# Altium PCB LimeSDR-Micro_M.2_2280_1v2.PcbDoc (part 6 of 9)
Units mm, origin at the board's own origin, x right, y up, seen from the top; angles counter-clockwise.
Board outline 80 x 22 mm, 8 copper layers (Top, L2, L3, L4, L5, L6, L7, Bottom), stack 0.775 mm thick; 678 components, 387 nets, 2375 pads, 919 vias.
Unrouted connection lines stored in the file: 254.
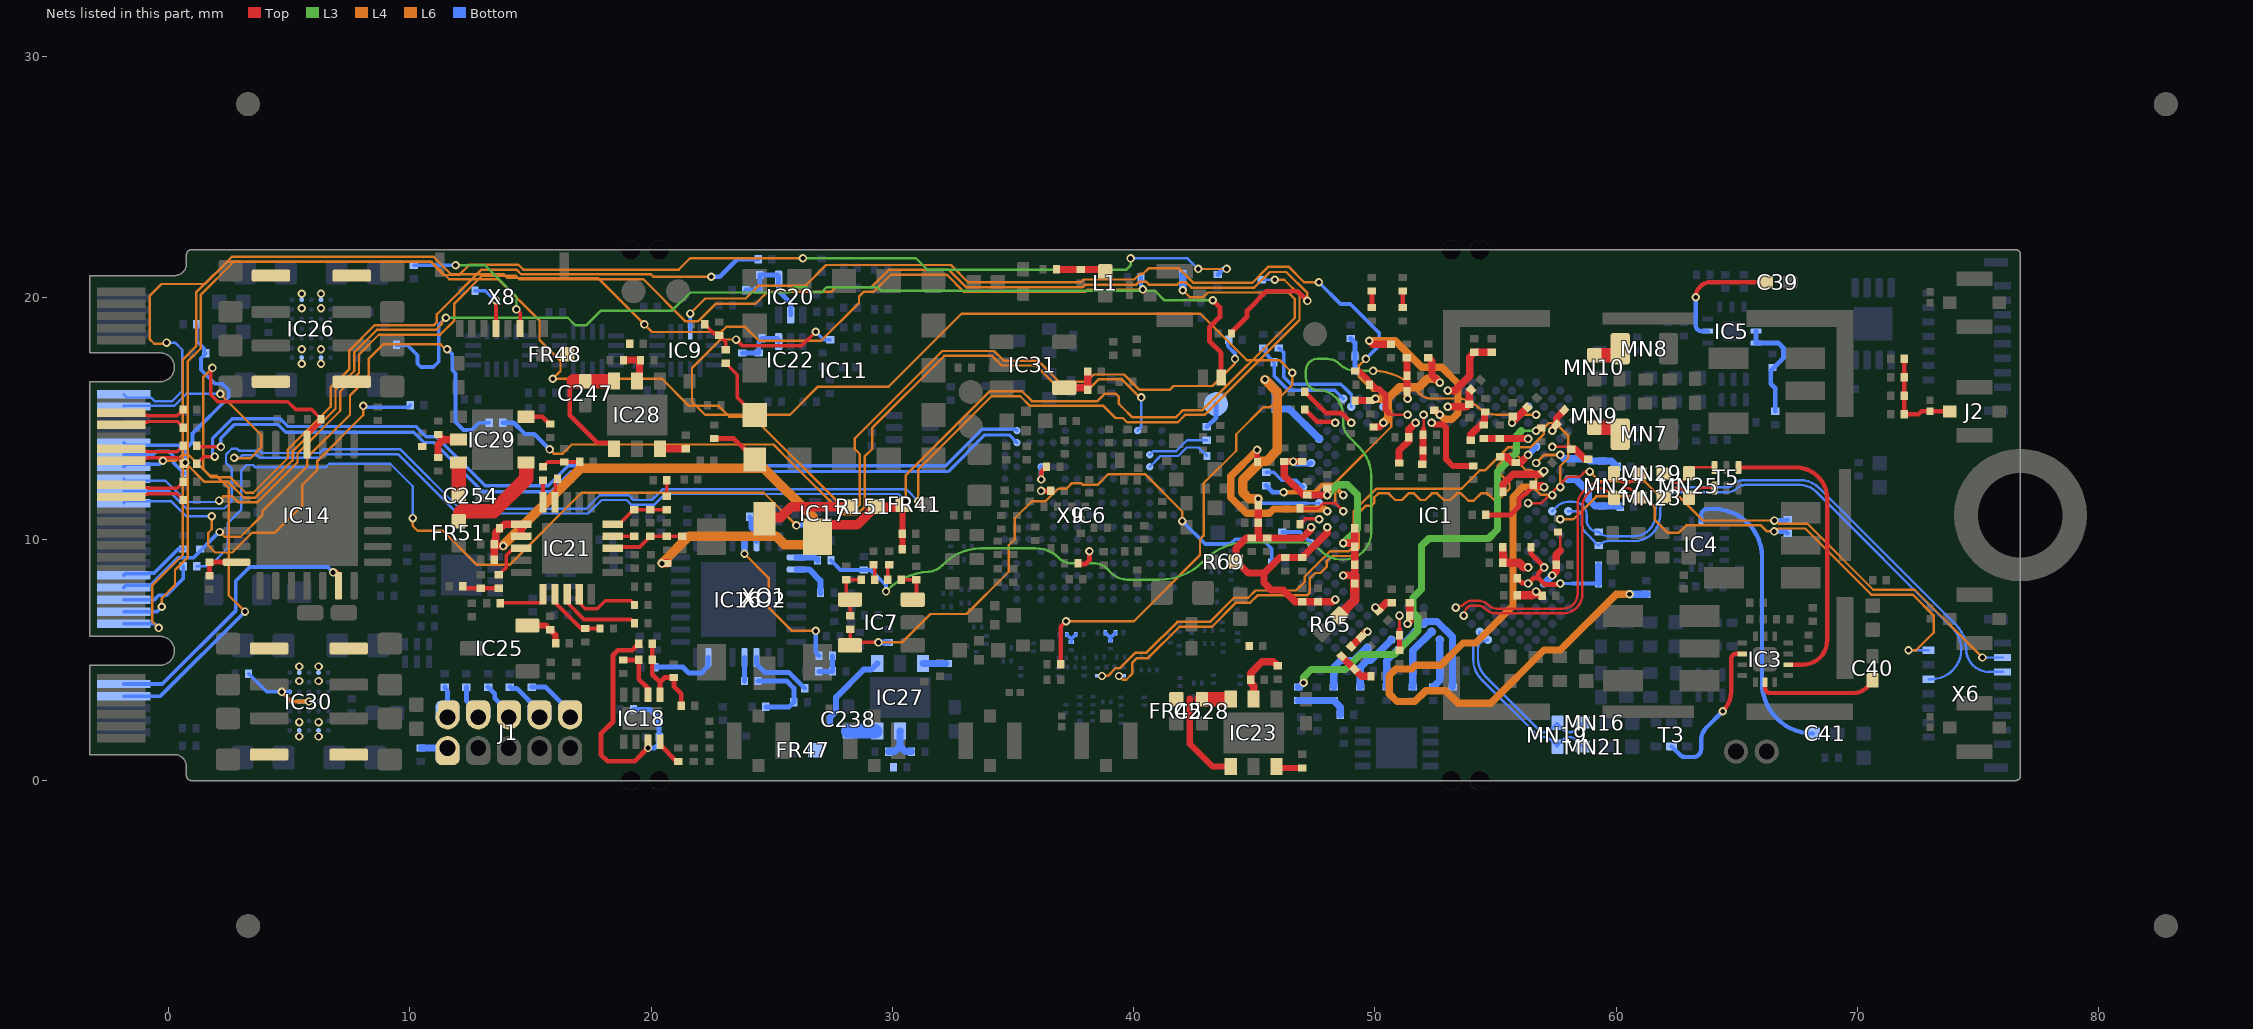
[diagram p12: the nets of this part, all layers, seen from the top]

## Via types
v1: diameter 0.35, hole 0.2, Top to Bottom, tented both sides, 753 vias
v2: diameter 0.35, hole 0.2, L5 to Bottom, tented both sides, 124 vias
v3: diameter 0.4, hole 0.2, Top to Bottom, tented both sides, 30 vias
v4: diameter 0.5, hole 0.2, Top to Bottom, tented both sides, 12 vias

## Nets (pads, with @x,y where several pads share a name; then routed paths per layer and width w, separated by ;. In a path a pad name is that pad's centre, name@x,y a point inside that pad or via, vN(x,y) a via of type N, cw(c..) or ccw(c..) an arc to the next point about the centre after c; other vN are vias at no path point) (continued)
LMS_TX1_BB_Q_N: IC1.P2 R19.1 | length 27.3
  L6 w0.1: v2(38.688,4.333) 38.695,4.34 38.941,4.34 39.259,4.658 39.433,4.658 40.075,5.3 40.537,5.3 41.812,6.575 43.158,6.575 44.158,7.575 44.749,7.575 45.049,7.875 46.733,7.875 47.091,8.233 47.091,8.45 48.146,9.505 48.932,9.505 49.125,9.699 49.125,11.167 49.266,11.308 50.058,12.1 53.595,12.1 54.345,12.85 54.566,12.85 55.534,13.818 56.464,13.818 57.003,14.357 57.003,14.611 57.21,14.817 57.479,14.817 58.002,14.294 58.002,13.358 57.677,13.033 v2(57.677,12.161)
LMS_TX1_BB_Q_P: IC1.R3 R14.1 | length 27.3
  L6 w0.1: v2(39.393,4.333) 39.551,4.175 39.695,4.175 39.95,4.43 39.95,4.889 40.136,5.075 40.595,5.075 41.895,6.375 43.241,6.375 44.241,7.375 44.831,7.375 45.131,7.675 47.191,7.675 47.291,7.775 47.291,8.367 47.525,8.602 47.744,8.602 47.994,8.851 47.994,9.071 48.229,9.305 49.014,9.305 49.325,9.616 49.325,11.084 49.635,11.394 49.86,11.394 49.972,11.506 49.972,11.731 50.141,11.9 50.565,11.9 50.84,11.625 51.116,11.625 51.391,11.9 51.616,11.9 51.891,11.625 52.087,11.625 52.362,11.9 52.575,11.9 52.85,11.625 53.12,11.625 53.395,11.9 53.565,11.9 53.866,11.6 54.095,11.6 54.395,11.9 54.666,11.9 54.941,11.625 55.108,11.625 55.574,12.091 55.574,12.316 55.091,12.8 55.091,13.05 55.591,13.55 55.816,13.55 55.991,13.375 55.991,13.125 56.256,12.86 56.506,12.86 56.686,12.679 56.686,12.026 56.877,11.836 57.336,11.836 v2(57.344,11.828)
LMS_TX2_BB_I_N: IC1.T6 R6.1 X6.3 | length 24
  Top w0.1: v1(56.345,11.495) 56.895,11.495 57.983,12.583 58.488,12.583 58.705,12.8 v1(58.9,12.8)
  L6 w0.1: v1(58.9,12.8) 59.3,12.4 61.175,12.4 61.825,11.75 62.625,11.75 63.6,10.775 v2(66.553,10.775) 66.607,10.775 66.737,10.646 67.912,10.646 70.65,7.908 72.367,7.908 v1(75.175,5.1)
  Bottom w0.1: v1(75.175,5.1) X6.3@76.008,5.1
  Bottom w0.2: v2(66.553,10.775) 67.065,10.775 R6.1@67.1,10.81
LMS_TX2_BB_I_P: IC1.V2 R6.2 X6.2 | length 22
  L6 w0.1: v2(57.677,10.829) 58.229,10.829 59.175,11.775 61.141,11.775 61.6,11.316 61.6,10.8 62.125,10.275 62.6,10.275 62.9,10.575 65.991,10.575 66.241,10.325 v2(66.541,10.325) 66.604,10.325 66.724,10.446 67.829,10.446 70.567,7.708 72.284,7.708 73.15,6.842 73.15,6.125 72.425,5.4 v1(72.11,5.4)
  Bottom w0.1: v1(72.11,5.4) X6.2@72.943,5.4
  Bottom w0.2: v2(66.541,10.325) 67.016,10.325 67.025,10.316 67.025,10.3 67.075,10.25 R6.2@67.1,10.25
LMS_TX2_BB_Q_N: IC1.U1 R9.2 X6.6 | length 23.7
  Bottom w0.1: IC1.U1@58.01,11.162 58.396,11.162 cw(c58.396,11) 58.559,11 58.559,10.675 ccw(c59.096,10.675) 58.716,10.294 59.141,9.87 59.141,9.845 59.241,9.745 R9.2@59.266,9.745 cw(c59.7,9.31) 59.7,9.925 60.741,9.925 ccw(c60.741,11) 61.816,11 61.816,11.15 cw(c62.616,11.15) 62.616,11.95 64.604,11.95 ccw(c64.604,12.537) 65.019,12.122 cw(c65.328,11.813) 65.328,12.25 67.611,12.25 cw(c67.611,11.311) 68.275,11.975 73.946,6.304 cw(c73.093,5.45) 74.3,5.45 cw(c73.05,5.45) 73.05,4.2 X6.6@72.943,4.2
LMS_TX2_BB_Q_P: IC1.U3 R9.1 X6.5 | length 24.6
  Bottom w0.1: IC1.U3@57.344,11.162 57.532,11.35 cw(c58.016,10.866) 58.016,11.55 58.225,11.55 cw(c58.225,11) 58.775,11 58.775,10.796 ccw(c59.266,10.796) R9.1@59.266,10.305 ccw(c59.7,10.74) 59.7,10.125 60.741,10.125 ccw(c60.741,11) 61.616,11 61.616,11.15 cw(c62.616,11.15) 62.616,12.15 64.564,12.15 ccw(c64.564,12.577) 64.866,12.275 cw(c65.288,11.853) 65.288,12.45 67.614,12.45 cw(c67.614,11.319) 68.414,12.119 74.089,6.444 cw(c73.096,5.451) 74.5,5.451 ccw(c75.451,5.451) 75.451,4.5 X6.5@76.008,4.5
LMS_TXEN: IC1.U29 IC9.11 R11.1 | length 43.9
  Top w0.11: R11.1@46.896,11.3 R11.1@46.896,11.275 47.641,11.275 47.864,11.498 48.35,11.498 v1(48.686,11.162)
  L6 w0.1: v2(21.625,19.35) 22.25,19.975 23.925,19.975 24.45,20.5 26.391,20.5 27.253,21.362 32.428,21.362 33.141,20.65 37.816,20.65 37.928,20.763 40.028,20.763 40.266,21 40.39,21 40.615,21.225 41.875,21.225 42.475,20.625 44.916,20.625 45.591,21.3 46.417,21.3 47.067,20.65 v2(47.675,20.65) ; v1(48.686,11.162) 48.361,11.487 48.361,12.346 50.676,14.661 50.676,15.372 50.359,15.689 50.359,15.943 50.153,16.149 49.926,16.149 49.325,16.75 49.325,17.175 v2(49.625,17.475)
  Bottom w0.15: IC9.11@21.625,18.6 IC9.11@21.65,18.625 ; IC9.11@21.625,18.625 v2(21.625,19.35) ; v2(47.675,20.65) 48.575,19.75 48.975,19.75 50.175,18.55 50.175,18.025 v2(49.625,17.475)
LMS_TxPLL_CLK: C196.2 IC1.E5 R153.2 | length 43.8
  L3 w0.1: v1(29.738,7.837) 29.806,7.906 cw(c31.602,6.11) 31.512,8.648 ; 31.403,8.642 ccw(c31.403,9.606) 31.512,8.648 ; v1@49.946,16.975 v1(49.921,16.975) 49.214,16.975 cw(c49.214,17.914) 48.954,17.012 cw(c49.214,17.914) 48.55,17.25 ccw(c48.007,16.707) 48.007,17.475 47.623,17.475 ccw(c47.623,16.992) 47.141,16.992 47.141,16.685 ccw(c47.65,16.685) 47.65,16.175 cw(c47.65,15.147) 48.678,15.147 48.678,14.85 ccw(c49.553,14.85) 48.934,14.231 49.341,13.825 cw(c48.111,12.596) 49.85,12.596 49.85,10.309 cw(c48.691,10.309) 48.691,9.15 cw(c48.691,10.516) 47.725,9.55 ccw(c46.94,8.765) 46.94,9.875 44.727,9.875 ccw(c44.727,7.335) 42.931,9.131 42.869,9.069 cw(c41.073,10.865) 41.073,8.325 39.739,8.325 cw(c39.739,9.264) 39.075,8.6 38.869,8.806 ccw(c38.4,8.336) 38.4,9 37.443,9 cw(c37.443,9.768) 36.9,9.225 ccw(c35.934,8.259) 35.934,9.625 33.675,9.625 ccw(c33.675,7.475) 32.155,8.995 32.084,8.924 cw(c31.403,9.606) 31.512,8.648
  L6 w0.1: v1@49.946,16.975 cw(c49.946,14.633) 51.602,16.289 51.891,16 ccw(c52.296,16.405) 52.296,15.832 53.404,15.832 cw(c53.404,14.613) 54.266,15.475 ccw(c55.031,16.24) 55.031,15.158 v1(56.678,15.158)
  Bottom w0.15: R153.2@27.455,9.125 27.855,8.725 C196.2@28.825,8.725 29.1,8.725 29.738,8.087 v1(29.738,7.837)
M.2_CLK_IN: R155.2 X9.P28 | length 2.9
  Bottom w0.15: X9.P28@-1.85,8.5 -1.788,8.562 -0.838,8.562 -0.8,8.6 -0.581,8.6 0.414,9.595 R155.2@0.625,9.595
M.2_CLK_OUT: R160.2 X9.P24 | length 3.3
  Bottom w0.15: X9.P24@-1.85,7.5 -0.575,7.5 -0.4,7.675 -0.075,7.675 0.62,8.37 R160.2@0.62,8.875
M.2_GPIO_2: R142.2 X9.P44 | length 62.5
  Top w0.2: R142.2@44.055,18.525 44.055,18.585 44.7,19.23 44.7,19.475 45.5,20.275 46.8,20.275 v1(47.2,19.875)
  L6 w0.1: v2(2.1,11.6) 2.275,11.775 2.65,11.775 2.9,11.525 3.683,11.525 5.35,13.192 5.35,13.551 7.125,15.326 7.125,16.116 7.9,16.891 7.9,17.659 8.716,18.475 11.26,18.475 11.85,19.065 11.85,19.767 13.008,20.925 14.392,20.925 14.542,20.775 19.683,20.775 21.433,19.025 21.95,19.025 22.68,19.755 24.32,19.755 24.815,20.25 27.465,20.25 27.665,20.45 29.142,20.45 29.855,21.162 32.345,21.162 33.058,20.45 37.899,20.45 37.999,20.55 40.115,20.55 40.24,20.675 40.51,20.675 40.635,20.55 41.808,20.55 41.903,20.645 42.172,20.645 42.392,20.425 45,20.425 45.65,21.075 46.325,21.075 47.2,20.2 v1(47.2,19.875)
  Bottom w0.1: X9.P44@-1.85,12.5 -1.85,12.425 -0.117,12.425 0.767,11.541 2.041,11.541 v2(2.1,11.6)
M.2_LED1#: IC14.20 X9.P10 | length 12.2
  Top w0.3: v1(6.825,8.625) 6.925,8.625 7.05,8.5 IC14.20@7.05,8.075
  Bottom w0.15: X9.P10@-1.85,4 -0.25,4 2.8,7.05 2.8,8.275 3.375,8.85 6.6,8.85 v1(6.825,8.625)
M.2_LNA1_EN: R138.2 X9.P20 | length 59.8
  L4 w0.1: v1(-0.4,6.325) -0.675,6.6 -0.675,8.085 0.6,9.36 0.6,9.45 0.6,17.45 1.15,18 1.15,20.225 2.625,21.7 10.995,21.7 11.72,20.975 13.9,20.975 14.05,20.825 17.8,20.825 v1(19.725,18.9)
  L6 w0.1: v1(19.725,18.9) 20.038,18.587 22.904,18.587 23.117,18.8 23.9,18.8 24.475,18.225 27.05,18.225 28.62,19.795 28.62,20.06 28.81,20.25 29.225,20.25 29.937,20.962 32.263,20.962 32.975,20.25 37.981,20.25 38.081,20.35 v2(40.375,20.35)
  Bottom w0.15: X9.P20@-1.85,6.5 -0.575,6.5 v1(-0.4,6.325) ; v2@40.3,20.45 40.305,20.455 R138.2@40.305,20.85
M.2_MFG: R141.2 X9.P58 | length 54.9
  L3 w0.1: v1(26.295,21.645) 30.98,21.645 31.45,21.175 39.7,21.175 39.875,21.35 v1@39.875,21.625
  L6 w0.1: v1(-0.075,18.15) -0.123,18.102 -0.256,18.102 -0.259,18.1 -0.585,18.1 -0.775,18.29 -0.775,20.085 -0.285,20.575 1.525,20.575 2.45,21.5 10.85,21.5 11.4,20.95 12.05,20.95 12.475,21.375 14.508,21.375 14.708,21.175 21.15,21.175 21.625,21.65 v1@26.295,21.65 ; v2(42.675,21.2) v2(43.85,21.2)
  Bottom w0.1: X9.P58@-1.85,16 -1.725,15.875 -0.725,15.875 -0.575,15.725 0.16,15.725 0.575,16.14 0.575,17.85 0.275,18.15 v1(-0.075,18.15) ; v1(39.875,21.638) 42.237,21.638 v2(42.675,21.2)
  Bottom w0.2: R141.2@43.487,20.975 43.512,20.975 43.562,21.025 43.562,21.05 43.712,21.2 v2(43.85,21.2)
M.2_PA_EN: R140.2 X9.P22 | length 71.3
  L4 w0.1: v1(-0.275,7.2) -0.275,7.55 0.275,8.1 0.275,8.725 0.8,9.25 0.8,17.367 1.35,17.917 1.35,20.142 2.708,21.5 10.912,21.5 11.637,20.775 13.665,20.775 15.38,19.061 15.38,18.255 16.25,17.385 16.25,16.975 v1(15.925,16.65)
  L6 w0.1: v1(15.925,16.65) 20.45,16.65 21.575,15.525 22.8,15.525 23.25,15.075 24.203,15.075 28.053,11.225 28.451,11.225 28.65,11.424 28.65,13.53 28.445,13.735 28.445,14.178 32.067,17.8 34.217,17.8 34.617,17.4 36.033,17.4 36.908,16.525 38.05,16.525 38.35,16.825 39.6,16.825 40.225,16.2 40.451,16.2 41.5,16.2 41.65,16.35 43.275,16.35 44.2,17.275 v2(44.2,17.475)
  Bottom w0.15: X9.P22@-1.85,7 -0.475,7 v1(-0.275,7.2) ; R140.2@43.9,18.125 43.9,18 44.2,17.7 v2(44.2,17.475)
M.2_PPS_IN: R173.1 X9.P46 | length 32.7
  L6 w0.1: v2(-0.225,13.25) 0.315,13.25 0.565,13.5 0.835,13.5 1.76,12.575 2.558,12.575 3.208,11.925 3.517,11.925 4.95,13.358 4.95,13.717 6.725,15.492 6.725,16.281 7.5,17.056 7.5,17.825 8.55,18.875 11.01,18.875 11.125,18.99 11.125,19.083 11.125,19.325 12.975,21.175 14.425,21.175 14.625,20.975 20,20.975 20.1,20.875 v2(22.5,20.875)
  Bottom w0.15: X9.P46@-1.85,13 -1.75,13.1 -0.737,13.1 -0.375,13.1 v2(-0.225,13.25)
  Bottom w0.2: v2(22.5,20.875) 22.85,20.875 23.575,21.6 R173.1@24.445,21.6
M.2_PPS_OUT: R189.1 X9.P48 | length 3.1
  Bottom w0.15: X9.P48@-1.85,13.5 -0.625,13.5 -0.475,13.65 0.005,13.65 0.2,13.455 0.2,13.18 0.65,12.73 R189.1@0.675,12.73
M.2_SMB_CLK: R228.2 X9.P40 | length 17.2
  L6 w0.1: v1(1.8,10.95) 1.8,10.411 1.65,10.261 1.65,9.74 1.94,9.45 2.65,9.45 3.475,10.275 4.42,10.275 5.55,11.405 5.55,12.251 6.175,12.876 6.175,13.245 8.075,15.145 v1(8.075,15.525)
  Bottom w0.11: X9.P40@-1.85,11.5 -1.77,11.58 0.112,11.58 0.742,10.95 v1(1.8,10.95)
  Bottom w0.15: v1(8.075,15.525) 8.129,15.525 8.181,15.473 9.943,15.473 R228.2@10.02,15.55
M.2_SMB_DATA: R227.2 X9.P42 | length 61
  L6 w0.1: v2(31.075,11.575) 31.075,12.884 34.116,15.925 35.3,15.925 35.7,15.525 38.75,15.525 39.25,15.025 39.55,15.025 39.725,14.85 41.6,14.85 41.833,14.85 42.016,15.033 42.133,15.15 42.94,15.15 46.875,19.085 46.875,20.117 46.242,20.75 v2(45.85,20.75)
  Bottom w0.1: X9.P42@-1.85,12 0.025,12 0.75,11.275 2.317,11.275 2.625,11.583 2.625,12.925 2.389,13.161 2.389,13.514 2.625,13.75 2.85,13.75 2.925,13.675 3.783,13.675 3.883,13.575 6.27,13.575 6.42,13.725 9.615,13.725 12.075,11.265 17.315,11.265 17.875,11.825 19.075,11.825 19.275,11.625 20.042,11.625 20.492,12.075 30.575,12.075 v2(31.075,11.575) ; R227.2@45.3,20.755 45.845,20.755 v2(45.85,20.75)
M.2_TRX1: R129.2 X9.P56 | length 65.7
  L6 w0.1: v2(2.15,16.025) 3.845,14.33 3.845,13.802 3.393,13.35 2.75,13.35 v1(2.725,13.375) ; v2(30.55,11.575) 30.55,12.642 34.033,16.125 35.383,16.125 35.783,15.725 38.499,15.725 38.799,16.025 39.269,16.025 39.391,15.903 39.391,15.609 39.508,15.492 39.95,15.05 41.75,15.05 41.816,15.116 42.05,15.35 42.857,15.35 46.675,19.168 46.675,19.96 46.41,20.225 43.075,20.225 42.875,20.025 42.332,20.025 v2(42.037,20.32)
  Bottom w0.1: X9.P56@-1.85,15.5 -1.85,15.525 0.242,15.525 0.742,16.025 v2(2.15,16.025) ; v1(2.725,13.375) 2.95,13.375 3.05,13.475 3.7,13.475 3.8,13.375 6.353,13.375 6.503,13.525 9.517,13.525 11.977,11.065 17.398,11.065 17.958,11.625 18.992,11.625 19.192,11.425 20.125,11.425 20.575,11.875 30.25,11.875 v2(30.55,11.575)
  Bottom w0.3: v2(42.037,20.32) R129.2@42.037,20.975
MCP_RESET: C178.1 IC14.14 R139.2 | length 1.7
  Top w0.2: R139.2@1.705,8.485 C178.1@1.705,9.05 IC14.14@2.825,9.05
NetC7_2: C7.2 IC1.C29 R20.1 | length 4.6
  Bottom w0.15: R20.1@45.366,17.92 45.391,17.92 45.466,17.845 45.466,17.692 45.821,17.337 C7.2@45.821,17.325 45.821,16.776 46.421,16.175 48.335,16.175 IC1.C29@48.686,15.824
NetC39_2: C39.2 IC5.2 | length 5.1
  Top w0.18: v1(63.291,20.025) cw(c63.916,20.025) 63.916,20.65 C39.2@66.2,20.65
  Bottom w0.18: v1(63.291,20.025) 63.291,18.875 ccw(c63.541,18.875) 63.541,18.625 IC5.2@63.791,18.625
NetC40_2: C40.2 IC3.13 | length 5
  Top w0.18: IC3.13@66.166,4.072 66.166,3.837 ccw(c66.377,3.837) 66.377,3.625 69.832,3.625 ccw(c69.832,4.393) 70.375,3.85 70.59,4.065 ccw(c70.504,4.15) C40.2@70.625,4.15
NetC41_2: C41.2 IC4.13 | length 12.6
  Bottom w0.18: IC4.13@63.516,10.752 63.516,10.975 cw(c63.791,10.975) 63.791,11.25 64.05,11.25 cw(c64.05,9.26) 66.041,9.26 66.041,4.059 ccw(c68.15,4.059) C41.2@68.15,1.95
NetC45_1: C45.1 FR2.2 IC5.8 IC5.9 | length 4.6
  Bottom w0.2: IC5.8@65.791,18.625 IC5.9@65.791,18.125 66.725,18.125 66.925,17.925 66.925,17.5 66.4,16.975 66.4,16.45 66.585,16.265 FR2.2@66.585,15.3
NetC52_1: C52.1 C53.1 C59.1 C60.1 C61.1 C62.1 C63.1 C64.1 IC1.AA29 IC1.AE29 IC1.L33 IC1.R31 R65.2 | length 13.1
  Top w0.3: C60.1@46.98,13.219 C59.1@46.246,13.219 46.246,12.618 47.036,11.828 v1(48.02,11.828) C52.1@48.02,12.12 ; v1(48.686,9.83) 49.163,9.83 C63.1@49.163,10.46 ; v1@48.715,8.488 48.709,8.488 48.696,8.502 48.696,8.508 49.163,8.508 C61.1@49.163,8.935 C64.1@49.163,9.69
  Top w0.4: R65.2@48.516,6.825 49.163,7.472 C62.1@49.163,8.165 49.163,8.508
  L3 w0.3: v1(48.02,11.828) 48.445,12.253 48.862,12.253 49.275,11.84 49.275,10.419 v1(48.686,9.83)
  Bottom w0.2: v1(46.613,13.215) 46.71,13.118 47.206,13.118 47.219,13.131 47.326,13.131 IC1.L33@47.354,13.16
  other v1: 48.686,8.498
NetC54_1: C54.1 C55.1 C56.1 FR7.1 IC1.A17 IC1.C25 IC1.F24 | length 6.8
  Top w0.3: FR7.1@49.168,15.745 C56.1@49.813,15.745 49.926,15.745 50.005,15.824 v1(50.018,15.824) ; C54.1@49.94,14.651 50.19,14.651 50.351,14.812 v1(50.351,14.825) ; C55.1@52.216,17.525 52.366,17.375 52.366,16.807 v1(52.682,16.49)
  L4 w0.35: v1(50.018,15.824) 50.541,15.824 ; v1(50.351,14.825) 50.541,15.015 50.541,15.824 ; v1(52.682,16.49) 52.522,16.65 52.166,16.65 51.816,16.3 51.017,16.3 50.541,15.824
NetC57_2: C57.2 FR6.1 IC1.M4 | length 2.2
  Top w0.3: FR6.1@55.305,11.975 55.305,12.28 55.72,12.695 56.866,12.695 56.998,12.827 v1(57.011,12.827)
NetC58_1: C58.1 FR5.1 IC1.AL21 | length 0.9
  Top w0.3: v1(51.35,6.5) 51.35,6.514 51.442,6.606 C58.1@51.442,6.825 51.442,7.37 FR5.1@51.441,7.37
NetC65_1: C65.1 IC1.G5 R66.1 | length 18.5
  Top w0.3: v1(56.678,14.492) 56.692,14.492 56.805,14.605 C65.1@56.891,14.605
  L3 w0.11: 56.074,14.492 v1@56.597,14.492
  L3 w0.3: v1(47.045,4.055) 47.045,4.295 47.35,4.6 48.775,4.6 49.4,5.225 50.8,5.225 51.775,6.2 51.775,6.775 51.575,6.975 51.575,7.575 51.93,7.93 51.93,9.73 52.225,10.025 54.7,10.025 55.075,10.4 55.075,12.8 55.866,13.591 55.866,14.3 56.066,14.5
  Bottom w0.3: R66.1@46.816,3.881 46.871,3.881 v1(47.045,4.055)
NetC66_1: C66.1 FR1.1 FR10.1 IC1.P4 | length 29.2
  Top w0.2: FR1.1@54.59,11.005 55.605,11.005 55.97,11.37 55.97,11.65 56.19,11.87 56.223,11.87 C66.1@56.578,12.225
  Top w0.3: C66.1@56.578,12.225 56.934,12.225 56.991,12.168 v1@57.004,12.168
  L4 w0.3: v1(57.011,12.161) 56.127,12.161 55.72,11.754 55.72,7.245 54.175,5.7 53.65,5.7 52.726,4.776 51.678,4.776 51.528,4.625 50.865,4.625 50.591,4.351 50.591,3.596 50.912,3.275 51.65,3.275 52.1,3.725 52.924,3.725 53.449,3.2 54.8,3.2 57.009,5.409 57.684,5.409 59.995,7.72 v1(60.555,7.72)
  Bottom w0.3: v1(60.555,7.72) FR10.1@61.25,7.72
NetC67_1: C67.1 FR21.1 IC1.D6 IC1.F8 | length 1.8
  Top w0.3: v1(55.679,14.825) 55.679,14.831 FR21.1@56.315,15.467
  Bottom w0.3: v1(55.679,14.825) IC1.D6@56.345,15.491
NetC68_1: C68.1 FR20.1 IC1.B16 | length 2.9
  Top w0.3: v1(53.015,16.157) 53.311,16.157 53.925,16.771 53.925,17.554 C68.1@54.116,17.745 FR20.1@54.841,17.745
NetC69_1: C69.1 C70.1 FR19.1 IC1.E19 | length 2
  Top w0.11: 52.016,14.6 v1(52.016,15.158)
  Top w0.2: C69.1@52.016,14.305 52.016,14.33 52.016,14.6
  Top w0.3: FR19.1@51.991,13.205 51.991,13.778 C69.1@51.991,14.305
NetC71_2: C71.2 FR18.1 IC1.F20 | length 1.9
  Top w0.3: FR18.1@51,13.16 51,13.675 51.396,14.071 C71.2@51.396,14.225 51.396,14.538 v1(51.683,14.825)
NetC72_1: C72.1 FR17.1 IC1.AJ25 | length 0.7
  Top w0.3: C72.1@50.14,7.038 50.472,7.37 FR17.1@50.691,7.37
  other v1: 50.018,7.166
NetC73_1: C73.1 IC1.AP26 R67.1 | length 2.5
  Bottom w0.3: R67.1@48.291,3.88 C73.1@48.291,4.55 48.291,4.689 48.577,4.975 49.112,4.975 49.628,5.491 49.676,5.491 IC1.AP26@49.685,5.501
NetC74_1: C74.1 FR15.1 IC1.AN23 | length 2.6
  Bottom w0.3: FR15.1@49.386,3.88 49.391,3.88 C74.1@49.391,4.55 49.391,4.689 49.677,4.975 49.825,4.975 IC1.AN23@50.684,5.834
NetC75_1: C75.1 FR14.1 IC1.AM20 | length 2.8
  Bottom w0.3: FR14.1@50.491,3.88 C75.1@50.491,4.55 50.491,4.975 IC1.AM20@51.683,6.167
NetC76_1: C76.1 FR13.1 IC1.AL19 | length 3.6
  Bottom w0.3: IC1.AL19@52.016,6.5 52.03,6.5 52.122,6.592 52.574,6.592 53.211,5.955 C76.1@53.211,4.55 FR13.1@53.211,3.88
NetC77_1: C77.1 FR12.1 IC1.AG5 | length 1.1
  Top w0.35: FR12.1@55.946,7.675 56.521,7.675 v1(56.678,7.832) C77.1@56.86,7.65
NetC78_2: C78.2 FR11.1 IC1.AD6 | length 2.1
  Top w0.3: FR11.1@55.296,9.025 C78.2@55.296,9.675
  Top w0.35: 55.321,9.35 55.321,9.025 55.972,9.025 56.166,8.831 v1(56.345,8.831)
NetC79_1: C79.1 FR9.1 IC1.J3 | length 1.6
  Top w0.11: v1(57.344,13.826) 58.045,13.826 C79.1@58.046,13.825
  Top w0.3: C79.1@58.141,13.73 58.286,13.73 58.701,13.315 FR9.1@58.843,13.315
NetC80_2: C80.2 FR8.1 IC1.J5 IC1.K6 | length 1.9
  Top w0.3: FR8.1@55.188,13.42 55.446,13.42 55.681,13.185 C80.2@55.838,13.185 56.037,13.185 v1(56.345,13.493)
  Bottom w0.25: v1(56.345,13.493) IC1.J5@56.678,13.826
NetC81_2: C81.2 FR16.1 R66.2 R67.2 | length 2.2
  Bottom w0.3: R66.2@46.816,3.321 R66.2@46.841,3.321 ; R66.2@46.841,3.32 C81.2@47.591,3.32 R67.2@48.291,3.32 48.316,3.32 48.316,3.295 48.561,3.05 FR16.1@48.561,2.725
NetC82_1: C82.1 FR22.1 IC1.K2 IC1.L5 | length 3.7
  L4 w0.11: v1(56.678,13.16) 57.011,13.493 v1(57.677,13.493)
  Bottom w0.3: v1(57.677,13.493) 57.837,13.333 58.817,13.333 58.905,13.245 C82.1@59.416,13.245 59.791,13.245 FR22.1@60.041,12.995
NetC83_1: C83.1 C84.1 FR25.1 IC1.C21 | length 1.7
  Top w0.3: v1@51.325,15.824 C83.1@51.325,16.125 C84.1@51.325,16.775 FR25.1@51.325,17.525
  other v1: 51.35,15.824
NetC85_1: C85.1 C86.1 C87.1 FR24.1 IC1.AD4 IC1.AF2 IC1.AF6 | length 6
  Top w0.2: C85.1@55.893,8.39 55.893,8.365 55.943,8.315 55.968,8.315 56.096,8.187 56.323,8.187 v1(56.345,8.165) 56.58,8.4 56.766,8.4 ; C86.1@56.466,9.675 56.466,9.395 57.011,8.849 v1(57.011,8.831) 56.766,8.585 56.766,8.4 ; v1(57.677,8.165) 57.649,8.136 57.543,8.136 57.529,8.123 57.043,8.123 56.766,8.4
  Bottom w0.11: v1(57.677,8.165) 58.182,8.165
  Bottom w0.15: 58.182,8.165 C87.1@59.261,8.165
  Bottom w0.3: C87.1@59.261,8.165 FR24.1@59.261,8.9
NetC88_1: C88.1 FR23.1 IC1.AN17 | length 2.1
  Bottom w0.3: FR23.1@52.416,3.88 52.682,4.146 C88.1@52.682,4.55 IC1.AN17@52.682,5.834
NetC89_1: C89.1 IC1.D24 R68.1 | length 3.5
  Bottom w0.11: IC1.D24@50.351,15.491 50.351,16.065
  Bottom w0.22: R68.1@48.991,18.32 49.171,18.14 C89.1@49.171,17.6 49.171,17.02 49.966,16.225 50.191,16.225 50.351,16.065
NetC90_1: C90.1 C91.1 C92.1 C93.1 C94.1 C95.1 C96.1 C97.1 C98.1 C99.1 IC1.AH30 IC1.H32 IC1.T32 IC1.W31 IC1.W33 R69.2 | length 27.1
  Top w0.3: R69.2@44.241,9.075 R69.2@44.241,9.1 ; v1@45.161,11.675 C94.1@45.161,11.408 C95.1@45.161,10.691 45.161,10.05 ; 45.4,8.6 45.4,8.2 45.7,7.9 46.2,7.9 46.693,7.407 C98.1@46.991,7.407 C99.1@47.641,7.407 48.248,7.407 48.34,7.499 v1(48.353,7.499) ; 45.716,8.899 45.417,8.6 44.741,8.6 R69.2@44.241,9.1 ; 45.716,8.9 46.056,9.241 C91.1@46.291,9.241 C90.1@46.991,9.241 48.02,10.27 v1(48.02,10.496) ; v1(47.354,10.496) 47.345,10.486 47.345,10.395 46.999,10.05 C96.1@45.546,10.05 45.161,10.05 ; R69.2@44.241,9.1 44.241,9.625 44.666,10.05 C97.1@44.891,10.05 45.161,10.05
  L4 w0.4: v1(45.166,11.675) 44.791,11.675 44.516,11.95 44.516,12.464 45.277,13.225 45.5,13.225 45.95,13.675 45.95,16.104 v1(45.441,16.614)
  Bottom w0.11: 47.183,11.495 IC1.T32@47.687,11.495
  Bottom w0.15: v1(45.166,11.675) 45.346,11.495 47.183,11.495
  Bottom w0.3: v1(45.441,16.614) 45.521,16.614 45.866,16.269 C93.1@45.866,16.15 C92.1@45.866,15.4 46.446,15.4 IC1.H32@47.687,14.159
NetC100_1: C100.1 FR26.1 IC1.G3 | length 1.1
  Top w0.3: v1(57.344,14.492) 57.354,14.502 57.354,14.584 57.535,14.766 57.522,14.779 57.522,15.027 FR26.1@57.843,15.348
NetC101_1: C101.1 FR33.1 IC1.E21 | length 3.3
  Top w0.11: 50.539,15.261 50.642,15.158 v1(51.35,15.158)